# Altium PCB mib-pcb0008.PcbDoc
Units mm, origin at the board's own origin, x right, y up, seen from the top; angles counter-clockwise.
Board outline 104 x 17 mm, 2 copper layers (Top Layer, Bottom Layer), stack 1.55 mm thick; 20 components, 38 nets, 86 pads, 6 vias.
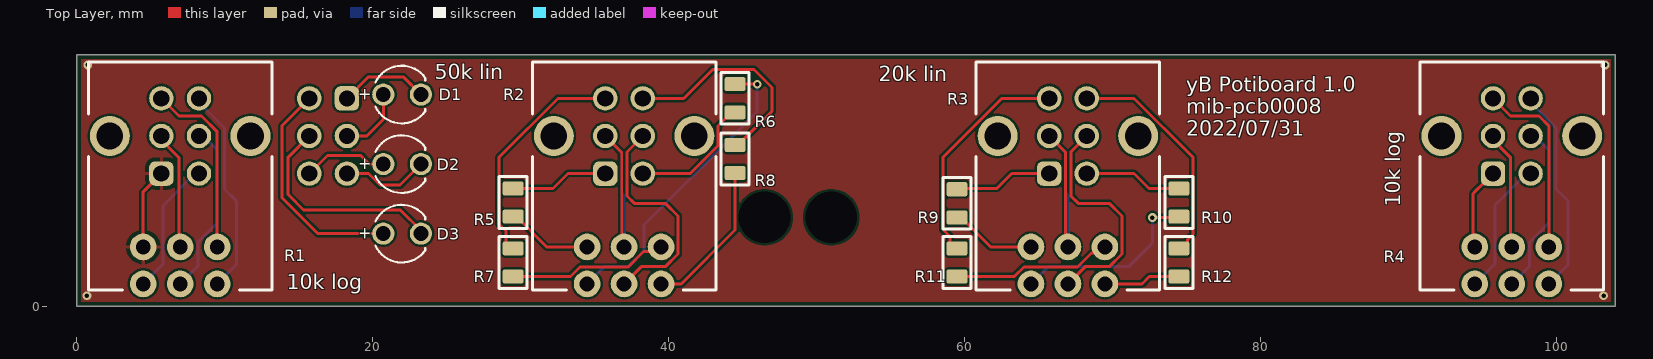
[diagram p0: Top Layer view]
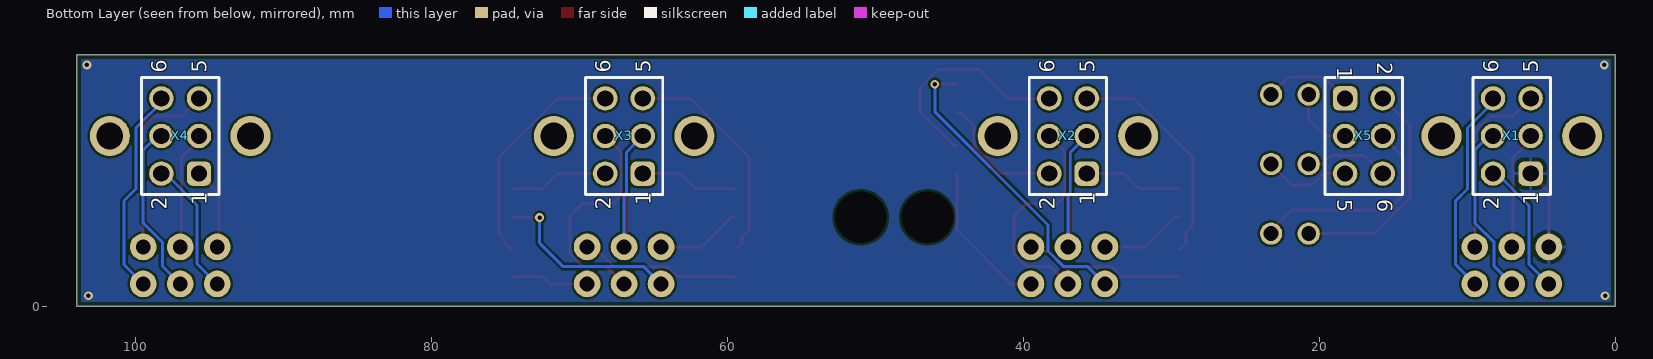
[diagram p1: Bottom Layer view, seen from below]
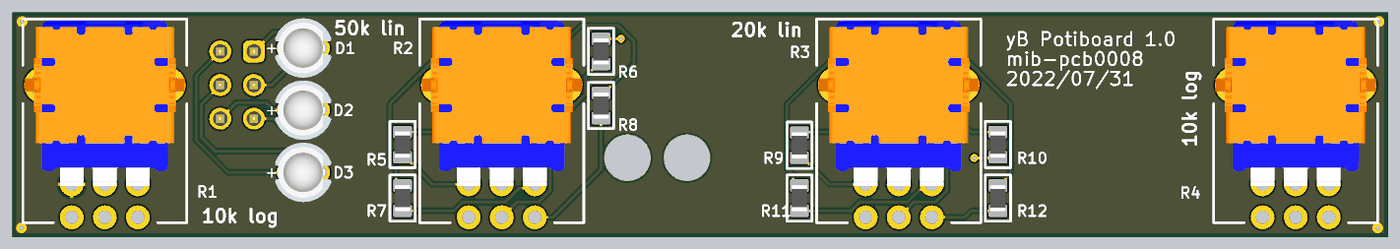
[diagram p2: 3D render of the assembled board from above, using the file's embedded part models]
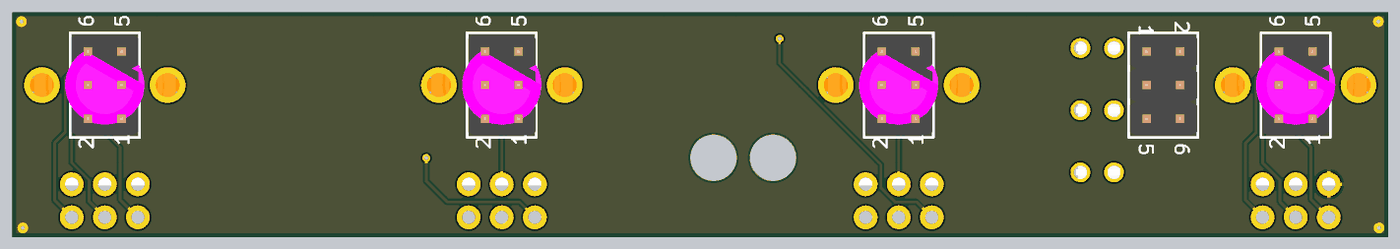
[diagram p3: 3D render of the assembled board from below, using the file's embedded part models]

## Layer stack, top to bottom
Top Solder: solder mask 0.0254, Solder Resist, Dk 3.5
Top Layer: signal copper 0.035
Dielectric 1: core 1.48, FR-4, Dk 4.6
Bottom Layer: signal copper 0.035
Bottom Solder: solder mask 0.0254, Solder Resist, Dk 3.5

## Board outline
0,17 104,17 104,0 0,0

## Design rules (kind name [scope] priority, off if disabled: settings)
BoardOutlineClearance [All] p1: gap=0.3 ignorepadtopadclearanceinfootprint=FALSE
Clearance Clearance_1 [All] p1: gap=0.15 ignorepadtopadclearanceinfootprint=FALSE
Clearance [All] p2 off: gap=0.15 ignorepadtopadclearanceinfootprint=FALSE
ComponentClearance [All] p1: gap=0.1 collisioncheckmode=3 verticalgap=0.1 showdistances=FALSE
Height [All] p1: minheight=0 maxheight=80 prefheight=12.7
HoleSize [All] p1: absolutevalues=TRUE maxlimit=5 minlimit=0.025 maxpercent=80.000 minpercent=20.000
MinimumSolderMaskSliver [All] p1: minsoldermaskwidth=0.1
PlaneClearance [All] p1: clearance=0.5
PlaneConnect PlaneConnect_Top [OnLayer('Top Layer')] p1: pad.planeconnectstyle=NoConnect pad.reliefexpansion=0.508 pad.reliefentries=4 pad.reliefconductorwidth=0.254 pad.reliefairgap=0.254 via.planeconnectstyle=Direct via.reliefexpansion=0.508 via.reliefentries=4 via.reliefconductorwidth=0.254 via.reliefairgap=0.254
PlaneConnect [All] p2: planeconnectstyle=Relief reliefexpansion=0.508 reliefentries=4 reliefconductorwidth=0.254 reliefairgap=0.254
PolygonConnect [IsVia] p1: connectstyle=Direct reliefconductorwidth=0.254 reliefentries=4 polygonreliefangle="90 Angle" airgapwidth=0.254
PolygonConnect PolygonConnect_1 [All] p2: thpad.connectstyle=Relief thpad.reliefconductorwidth=0.254 thpad.reliefentries=4 thpad.polygonreliefangle="90 Angle" thpad.airgapwidth=0.254 smdpad.connectstyle=NoConnect smdpad.reliefconductorwidth=0.254 smdpad.reliefentries=4 smdpad.polygonreliefangle="90 Angle" smdpad.airgapwidth=0.254 via.connectstyle=Direct via.reliefconductorwidth=0.254 via.reliefentries=4 via.polygonreliefangle="90 Angle" via.airgapwidth=0.254
RoutingVias [All] p1: holewidth=0.3 width=0.6 viastyle="Through Hole" minholewidth=0.3 minwidth=0.6 maxholewidth=0.3 maxwidth=0.6
SilkToSilkClearance [All] p1: silktosilkclearance=0
SolderMaskExpansion [All] p1: expansion=0.102 istentingtop=FALSE
Width [All] p1: maxlimit=1 minlimit=0.15 preferedwidth=0.3 minimp=50.000000 maximp=50.000000 favimp=50.000000
23 further rules are at their usual default settings.

## Components (designator, comment, footprint, x,y, rotation, side; value= is the part's Value field where it differs from the comment)
D1 "Super Red, 2.2V, 60deg" WL-TMRC_3mm_10mm_space 22,4.9 r0 top
D2 "Super Red, 2.2V, 60deg" WL-TMRC_3mm_10mm_space 22,14.3 r0 top
D3 "Super Red, 2.2V, 60deg" WL-TMRC_3mm_10mm_space 22,9.6 r0 top
R1 "10k" RK09L2 7,11.5 r0 top
R2 "10k" RK09L2 37,11.5 r0 top
R3 "20k" RK09L2 67,11.5 r0 top
R4 "20k" RK09L2 97,11.5 r0 top
R5 "0Ω ±1%" RESC2012X70N 29.5,7 r90 top
R6 "0Ω ±1%" RESC2012X70N 44.5,14.05 r90 top
R7 "0Ω ±1%" RESC2012X70N 29.5,2.95 r90 top
R8 "0Ω ±1%" RESC2012X70N 44.5,9.95 r270 top
R9 "0Ω ±1%" RESC2012X70N 59.5,6.95 r90 top
R10 "0Ω ±1%" RESC2012X70N 74.5,7 r270 top
R11 "0Ω ±1%" RESC2012X70N 59.5,2.95 r90 top
R12 "0Ω ±1%" RESC2012X70N 74.5,2.95 r270 top
X1 "HDR 2x3" 61300621121-POTI 7,11.5 r90 bottom
X2 "HDR 2x3" 61300621121-POTI 37,11.5 r90 bottom
X3 "HDR 2x3" 61300621121-POTI 67,11.5 r90 bottom
X4 "HDR 2x3" 61300621121-POTI 97,11.5 r90 bottom
X5 "HDR 2x3" 61300621121-poti 17,11.5 r270 bottom

## Footprints (in the part's own frame and the unit in brackets; to place one, negate y for a bottom-side part, rotate by r counter-clockwise, add the part's x,y. Pads: shape width x height; smd on the part's side, far side on the other; paste and mask are expansions set on the pad)
61300621121-POTI [mm] "Pin Header, pitch 2.54 mm, THT, Vertical, dual row, 6p"
  rrect50% 1.65x1.65 hole 1.1: 1(-2.54,-1.27)
  round 1.65 hole 1.1: 2(0,-1.27) 3(2.54,-1.27) 4(-2.54,1.27) 5(0,1.27) 6(2.54,1.27)
  silkscreen extent -3.96,-2.62 3.96,2.62, body extent -3.81,-2.54 3.81,2.54, height 8.59
61300621121-poti [mm] "Pin Header, pitch 2.54 mm, THT, Vertical, dual row, 6p"
  rrect50% 1.65x1.65 hole 1.1: 1(-2.54,-1.27)
  round 1.65 hole 1.1: 2(0,-1.27) 3(2.54,-1.27) 4(-2.54,1.27) 5(0,1.27) 6(2.54,1.27)
  silkscreen extent -3.96,-2.62 3.96,2.62, body extent -3.81,-2.54 3.81,2.54, height 8.59
RESC2012X70N [mm] "Chip Resistor, 2-Leads, Body 2,0x1,25mm, imperial 0805"
  rrect25% 0.95x1.4 smd: 1(-0.95,0) 2(0.95,0)
  silkscreen extent -1.75,-0.95 1.75,0.95, body extent -1,-0.6 1,0.6, height 0.7
RK09L2 [mm] "Alps Potentiomter metal shaft dual"
  round 1.8 hole 1: 1(-2.5,-7.5) 2(0,-7.5) 3(2.5,-7.5) 4(-2.5,-10) 5(0,-10) 6(2.5,-10)
  round 2.7 hole 1.8: MT(-4.75,0) MT(4.75,0)
  silkscreen extent -6.2,-10.4 6.2,5, body extent -6.05,-7.65 6.05,4.85, height 25.1
WL-TMRC_3mm_10mm_space [mm] "THT Mono-color Round Color LED, 2-leads"
  round 1.5 hole 1: 1(1.27,0) 2(-1.27,0)
  silkscreen extent -1.8,-1.95 1.57,1.95, body extent -2.13,-2.25 2.13,2.25, height 15.3

## Part data
D1 D2 D3: library part 151031SS06000_Spacer_10mm, "WL-TMRC THT Mono-color Round Color, size 3mm, Super Red, 2.2V, 60deg", Emitting Color="Super Red", Forward Voltage=2.2V, Manufacturer="Wurth Elektronik", Manufacturer Part Number=151031SS06000, Operating Temperature="-40 to +85degC", Chip Technology=AlGaAs, ComponentLink1Description=Manufacturer, ComponentLink1URL=http://www.we-online.de, ComponentLink2Description=Datasheet, ComponentLink2URL=https://katalog.we-online.de/led/datasheet/151031SS06000.pdf, Dominant Wavelength=640nm, Luminous Intensity=35mcd, Mounting Technology=THT, Packaging=Bulk, Peak Wavelength=650nm, Published Date="October 2019", Size=3mm, Viewing Angle=60deg
R1 R2: library part POT_10k_log_dual, "Potentiometers 10K VERTICAL dual, log, audio", Manufacturer="BI Technologies / TT Electronics", Manufacturer Part Number=P0925N-FC15AR10K, Tolerance=20%
R3 R4: library part POT_20k_lin_dual, "Potentiometer 1/20W 20K Ohms 20% 9mm ROTARY POT", Manufacturer="BI Technologies / TT Electronics", Manufacturer Part Number=P0925N-FC15BR20K, Tolerance=20%
R5 R6 R7 R8 R9 R10 R11 R12: library part "0805 0R (0R0) 1%", "Chip resistor", JLC=C17477, Manufacturer="Vishay / Dale", Manufacturer Part Number=CRCW08050000Z0EAC, Tolerance=1%, Alternatives allowed=YES
X1 X2 X3 X4 X5: library part CON_HEADER_2x3_Poti, "Stiftleiste, vertikal, Board-to-Board, 2.54 mm, 2 Reihe(n), 6 Kontakt(e), Durchsteckmontage, gerade", Manufacturer=WE, Manufacturer Part Number=613004216921, Alternatives allowed=YES

## Free pads (board coordinates)
  round 1.524 hole 3.5: 2(46.5,6) 2(51,6)

## Via types
v1: diameter 0.6, hole 0.3, Top Layer to Bottom Layer, 6 vias

## Nets (pads, with @x,y where several pads share a name; then routed paths per layer and width w, separated by ;. In a path a pad name is that pad's centre, name@x,y a point inside that pad or via, vN(x,y) a via of type N, cw(c..) or ccw(c..) an arc to the next point about the centre after c; other vN are vias at no path point)
GND: R1.1 X1.1 | length 5.6
  Top Layer w0.2: R1.1@4.385,4.115 R1.1 4.5,7.73 X1.1
  other v1: 0.7,0.7 103.2,0.7 0.75,16.3 103.3,16.3
NetD1_1: D1.1 X5.5 | length 14.7
  Top Layer w0.2: X5.5 14.297,10.067 14.297,7.537 15.335,6.5 21.873,6.5 23.27,5.103 D1.1
NetD1_2: D1.2 X5.4 | length 15.3
  Top Layer w0.2: X5.4 13.896,12.206 13.896,7.317 16.313,4.9 D1.2
NetD2_1: D2.1 X5.1 | length 6.1
  Top Layer w0.2: X5.1 19.73,15.5 22.07,15.5 D2.1
NetD2_2: D2.2 X5.2 | length 4.6
  Top Layer w0.2: X5.2 19.616,11.5 20.73,12.614 D2.2
NetD3_1: D3.1 X5.3 | length 5.9
  Top Layer w0.2: X5.3 19.723,8.96 20.498,8.185 21.855,8.185 D3.1
NetD3_2: D3.2 X5.6 | length 5.7
  Top Layer w0.2: X5.6 16.949,10.179 19.211,10.179 19.791,9.6 D3.2
NetR1_2: R1.2 X1.2 | length 8.1
  Top Layer w0.2: X1.2@5.46,11.5 6.925,10.035 6.925,4.075 R1.2
NetR1_3: R1.3 X1.3 | length 12.5
  Top Layer w0.2: X1.3 6.916,12.854 8.436,12.854 9.5,11.79 R1.3
NetR1_4: R1.4 X1.4 | length 8.9
  Bottom Layer w0.2: R1.4 5.85,2.85 5.85,6.81 X1.4@8,8.96
NetR1_5: R1.5 X1.5 | length 11.7
  Bottom Layer w0.2: R1.5 8.191,2.691 8.191,4.317 9.5,5.626 9.5,10.545 8.545,11.5 X1.5
NetR1_6: R1.6 X1.6 | length 14.2
  Bottom Layer w0.2: X1.6@8,14.04 10,12.04 10,7.911 10.795,7.115 10.795,2.795 R1.6
NetR2_1: R2.1 R5.1 | length 5.8
  Top Layer w0.2: R5.1 29.725,6.05 31.775,4 R2.1
NetR2_2: R2.2 X2.2 | length 16.1
  Top Layer w0.2: X2.2 36.845,10.385 36.845,4.155 R2.2
  Bottom Layer w0.2: X2.2 36.845,10.385 36.845,7.64 37,7.485 R2.2
NetR2_3: R2.3 R7.1 | length 10.8
  Top Layer w0.2: R7.1 33.374,2 34.024,2.65 37.276,2.65 38.32,3.694 39.194,3.694 R2.3
NetR2_4: R2.4 R6.2 | length 20.7
  Top Layer w0.2: R6.2 v1(46,15)
  Bottom Layer w0.2: R2.4 35.665,2.665 37.291,2.665 38.35,3.724 38.35,5.483 46,13.133 v1(46,15)
NetR2_5: R2.5 X2.5 | length 15.6
  Top Layer w0.2: R2.5 38.165,2.665 39.791,2.665 40.65,3.524 40.65,6.092 39.791,6.95 37.691,6.95 37.195,7.446 37.195,10.425 X2.5
NetR2_6: R2.6 R8.2 | length 10.4
  Top Layer w0.2: R2.6 40.862,1.5 44.5,5.138 R8.2
NetR3_1: R3.1 R9.1 | length 6
  Top Layer w0.2: R9.1@59.5,6.05 59.725,6.05 61.775,4 R3.1 R3.1@64.385,4.115
NetR3_2: R3.2 X3.2 | length 16.1
  Top Layer w0.2: X3.2 66.845,10.385 66.845,4.155 R3.2
  Bottom Layer w0.2: X3.2 66.845,10.385 66.845,7.64 67,7.485 R3.2
NetR3_3: R3.3 R11.1 | length 11.5
  Top Layer w0.2: R11.1 63.374,2 64.024,2.65 67.65,2.65 68.595,3.595 R3.3@69.905,3.595 ; R3.3@69.194,3.694 R3.3
NetR3_4: R3.4 R10.2 | length 12.9
  Top Layer w0.2: v1(72.705,5.986) 74.436,5.986 R10.2
  Bottom Layer w0.2: R3.4 65.665,2.665 71.115,2.665 72.705,4.255 v1(72.705,5.986)
NetR3_5: R3.5 X3.5 | length 15.8
  Top Layer w0.2: R3.5 68.165,2.665 69.791,2.665 70.65,3.524 70.65,6.092 69.791,6.95 67.691,6.95 67.195,7.446 67.195,10.425 X3.5
  Bottom Layer w0.2: X3.5 X3.5@68.545,11.5
NetR3_6: R3.6 R12.2 | length 5.2
  Top Layer w0.2: R3.6 72,1.5 72.5,2 R12.2
NetR4_1: R4.1 X4.1 | length 5.6
  Top Layer w0.2: R4.1 94.385,4.115 94.385,7.615 94.5,7.73 95.115,8.345 X4.1
NetR4_2: R4.2 X4.2 | length 8.1
  Top Layer w0.2: X4.2@95.46,11.5 96.925,10.035 96.925,4.075 R4.2
NetR4_3: R4.3 X4.3 | length 12.7
  Top Layer w0.2: X4.3 96.916,12.854 98.836,12.854 99.5,12.189 R4.3
NetR4_4: R4.4 X4.4 | length 8.9
  Bottom Layer w0.2: R4.4 95.85,2.85 95.85,6.81 X4.4@98,8.96
NetR4_5: R4.5 X4.5 | length 11.7
  Bottom Layer w0.2: R4.5 98.191,2.691 98.191,4.317 99.5,5.626 99.5,10.545 98.545,11.5 X4.5
NetR4_6: R4.6 X4.6 | length 14.2
  Bottom Layer w0.2: X4.6@98,14.04 100,12.04 100,7.911 100.795,7.115 100.795,2.795 R4.6
NetR5_2: R5.2 X2.1 | length 6.6
  Top Layer w0.2: R5.2 32.195,7.95 33.205,8.96 X2.1
NetR6_1: R6.1 X2.4 | length 8.7
  Top Layer w0.2: X2.4 41.473,8.96 43.35,10.837 43.35,12.175 44.275,13.1 R6.1
NetR7_2: R7.2 X2.3 | length 15.4
  Top Layer w0.2: R7.2 29.392,3.9 29.019,4.274 29.019,5.072 28.55,5.541 28.55,10.063 32.527,14.04 X2.3
NetR8_1: R8.1 X2.6 | length 15.1
  Top Layer w0.2: X2.6 41.029,14.04 42.989,16 45.778,16 47,14.778 47,13.175 44.725,10.9 R8.1
NetR9_2: R9.2 X3.1 | length 6.6
  Top Layer w0.2: R9.2@59.5,7.95 62.195,7.95 63.205,8.96 X3.1
NetR10_1: R10.1 X3.4 | length 6.6
  Top Layer w0.2: X3.4 71.473,8.96 72.483,7.95 R10.1
NetR11_2: R11.2 X3.3 | length 15.4
  Top Layer w0.2: R11.2 59.392,3.9 59.019,4.274 59.019,4.712 58.55,5.181 58.55,10.063 62.527,14.04 X3.3
NetR12_1: R12.1 X3.6 | length 15.5
  Top Layer w0.2: X3.6 71.473,14.04 75.45,10.063 75.45,4.85 75.065,4.465 75.065,4.274 74.691,3.9 R12.1
pads on no net: R1.MT R2.MT R3.MT R4.MT

## Polygon pours and split planes (outlines as drawn)
GND on Top Layer "NONET_L01_P-001" (solid, pour order 0): 0,17.025 104,17.025 104,-0.025 0,-0.025
GND on Bottom Layer "NONET_L01_P-001" (solid, pour order 2): 0,17 104,17 104,0 0,0 104,0 0,0

## Silkscreen, mask and mechanical layers (free items; w line width, h text height)
Top Overlay:
  text "50k lin" at 24.2,15.325 h1
  text "20k lin" at 54.2,15.2 h1
  text "yB Potiboard 1.0" at 75,14.5 h1
  text "mib-pcb0008" at 75,13 h1
  text "2022/07/31" at 75,11.5 h1
  text "10k log" at 89.467,6.7 h1 r90
  text "10k log" at 14.2,1.133 h1
Mechanical 1:
  lines w0.05: 5.5,11.5 8.5,11.5 ; 7,10.15 7,12.85 ; 30,-0.025 134,-0.025 ; 35.5,11.5 38,11.5 ; 37,10.15 37,12.766 ; 38.5,11.5 38,11.5 ; 46,6 52.14,6 ; 46.5,6.5 46.5,5.275 ; 51,5.275 51,6.5 ; 67,12.766 67,10.15 67,13 ; 68.5,11.5 68,11.5 ; 69,11.5 65.5,11.5 68,11.5 ; 96,11.5 98.5,11.5 ; 97,9.5 97,13 ; -0.025,0 ccw(c0,0) 0,-0.025 ; -0.025,0 ccw(c0,0) 0,-0.025 ; -0.025,0 -0.025,17 ; -0.025,17 cw(c0,17) 0,17.025 ; -0.025,17 cw(c0,17) 0,17.025 ; 0,-0.025 104,-0.025 ; 0,17.025 104,17.025 ; 38,11.5 38,11.5 ; 46.5,5.275 46.5,5.275 ; 68,11.5 68,11.5 ; 104,-0.025 ccw(c104,0) 104.025,0 ; 104,-0.025 ccw(c104,0) 104.025,0 ; 104,17.025 cw(c104,17) 104.025,17 ; 104,17.025 cw(c104,17) 104.025,17 ; 104.025,0 104.025,17

## Text inside footprints (layer, text, board x,y; h text height)
D1: Top Overlay "+" at 19.05,4.55 h0.8
D2: Top Overlay "+" at 19.05,13.95 h0.8
D3: Top Overlay "+" at 19.05,9.25 h0.8
X1: Bottom Overlay "6" at 7.9,15.77 h1.02 r270; Bottom Overlay "5" at 5.2,15.77 h1.02 r270; Bottom Overlay "2" at 7.9,6.53 h1.02 r270; Bottom Overlay "1" at 5.2,6.83 h1.02 r270
X2: Bottom Overlay "1" at 35.2,6.83 h1.02 r270; Bottom Overlay "2" at 37.9,6.53 h1.02 r270; Bottom Overlay "5" at 35.2,15.77 h1.02 r270; Bottom Overlay "6" at 37.9,15.77 h1.02 r270
X3: Bottom Overlay "6" at 67.9,15.77 h1.02 r270; Bottom Overlay "5" at 65.2,15.77 h1.02 r270; Bottom Overlay "2" at 67.9,6.53 h1.02 r270; Bottom Overlay "1" at 65.2,6.83 h1.02 r270
X4: Bottom Overlay "1" at 95.2,6.83 h1.02 r270; Bottom Overlay "2" at 97.9,6.53 h1.02 r270; Bottom Overlay "5" at 95.2,15.77 h1.02 r270; Bottom Overlay "6" at 97.9,15.77 h1.02 r270
X5: Bottom Overlay "1" at 18.8,16.17 h1.02 r90; Bottom Overlay "2" at 16.1,16.47 h1.02 r90; Bottom Overlay "5" at 18.8,7.23 h1.02 r90; Bottom Overlay "6" at 16.1,7.23 h1.02 r90